# Altium PCB higgs.PcbDoc (part 11 of 25)
Units mm, origin at the board's own origin, x right, y up, seen from the top; angles counter-clockwise.
Board outline 160 x 160 mm, 15 copper layers (TOP, P1(GND), S1(V), P2(GND), S2(H), P3(GND), S3(V12/V2V5), S4(VDDR), P4(GND), S5(V), P5(GND), S6(H), P6(GND), P1(GND) (Plane1), BOT), stack 3.262 mm thick; 1283 components, 2419 nets, 11066 pads, 5487 vias.
Unrouted connection lines stored in the file: 239.
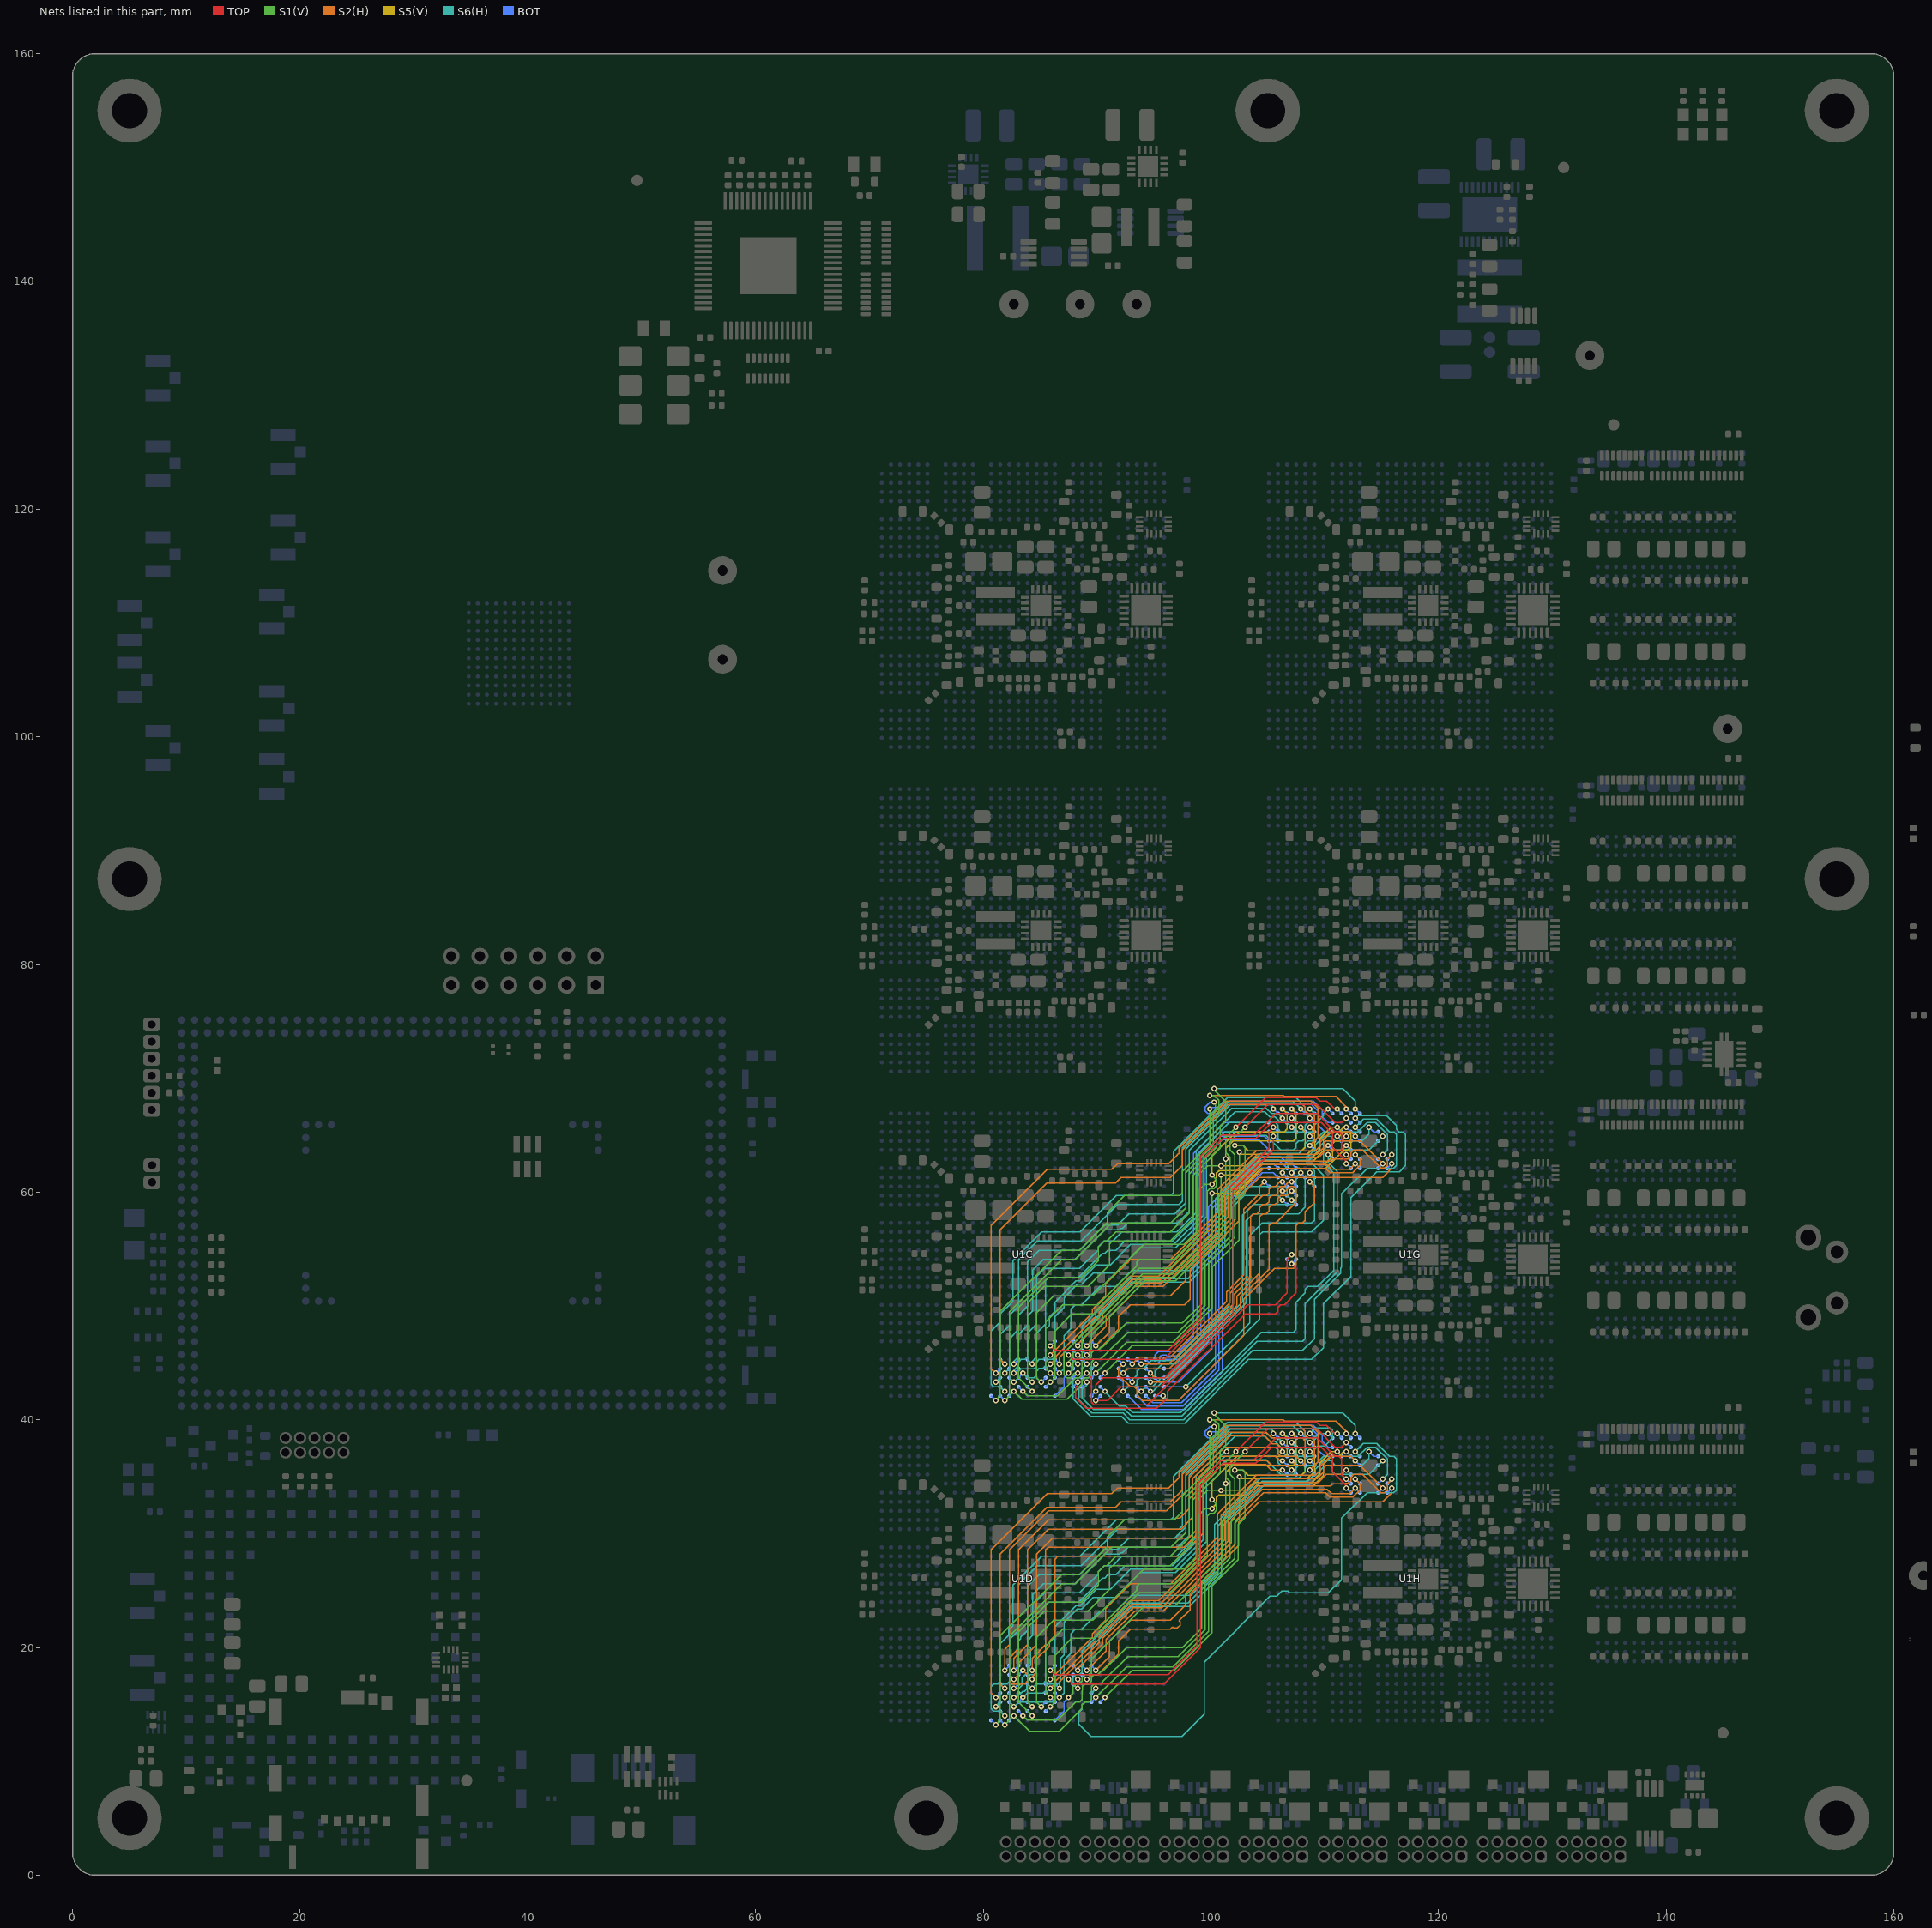
[diagram p24: the nets of this part, all layers, seen from the top]

## Via types
v1: diameter 0.483, hole 0.254, TOP to BOT, tented both sides, 5146 vias
v2: diameter 0.457, hole 0.254, TOP to BOT, tented both sides, 278 vias
v3: diameter 0.5, hole 0.25, TOP to BOT, 50 vias
v4: diameter 0.483/0/0/0/0.483/0/0/0.483 (per signal layer), hole 0.254, TOP to BOT, tented both sides, 7 vias
v5: diameter 0.483, hole 0.254, TOP to BOT, tented bottom, 5 vias
v6: diameter 0.483, hole 0.254, TOP to BOT, 1 vias

## Nets (pads, with @x,y where several pads share a name; then routed paths per layer and width w, separated by ;. In a path a pad name is that pad's centre, name@x,y a point inside that pad or via, vN(x,y) a via of type N, cw(c..) or ccw(c..) an arc to the next point about the centre after c; other vN are vias at no path point) (continued)
IL07_32.LR.G0.D3_N: U1C.P29 U1G.F5 | length 51.6
  S2(H) w0.102: v1(81.1,44.1) 80.7,44.5 80.7,57.064 85.635,61.999 91.3,61.999 91.801,62.5 96.3,62.5 97.066,63.266 97.066,63.277 97.194,63.405 97.194,63.836 101.362,68.004 108.796,68.004 109.404,67.396 109.404,64.804 v1(108.7,64.1)
  BOT w0.102: v1(81.1,44.1) U1C.P29@81.5,44.5 ; v1(108.7,64.1) U1G.F5@109.1,63.7
IL07_32.LR.G0.D3_P: U1C.P28 U1G.F4 | length 48.6
  S2(H) w0.102: v1(81.9,44.9) 81.5,45.3 81.5,56.695 85.608,60.804 91.639,60.804 92.135,61.299 92.399,61.299 ; 92.4,61.3 96.464,61.3 97.499,62.335 97.499,63.71 101.489,67.699 108.065,67.699 108.301,67.464 108.301,67.135 108.536,66.899 108.865,66.899 109.099,66.665 109.099,65.299 v1(108.7,64.9)
  BOT w0.102: U1C.P28@81.5,45.3 v1(81.9,44.9) ; v1(108.7,64.9) U1G.F4@109.1,64.5
IL07_32.LR.G0.D4_N: U1C.U28 U1G.D2 | length 41.7
  S6(H) w0.102: v1(84.3,44.9) 84.3,45.136 84.699,45.535 84.699,47.599 85.499,48.399 85.499,52.264 85.735,52.499 88.399,52.499 90.501,54.601 90.665,54.601 90.964,54.899 91.664,54.899 92.465,55.701 96.639,55.701 98.998,58.06 98.998,63.484 101.613,66.099 105.665,66.099 105.899,65.865 105.899,65.536 106.135,65.301 107.265,65.301 107.499,65.535 107.499,66.101 v1(107.1,66.5)
  BOT w0.102: U1C.U28@83.9,45.3 v1(84.3,44.9) ; v1(107.1,66.5) U1G.D2@107.5,66.1
IL07_32.LR.G0.D4_P: U1C.T29 U1G.D3 | length 42.9
  S6(H) w0.102: v1(82.7,44.1) 82.7,44.336 83.099,44.735 83.099,44.868 83.101,44.87 83.101,45.065 83.335,45.299 83.664,45.299 83.899,45.535 83.899,47.599 84.699,48.399 84.699,52.599 85.401,53.301 88.465,53.301 90.101,54.936 90.101,55.165 90.636,55.701 91.401,55.701 92.201,56.501 97.008,56.501 98.693,58.186 98.693,63.61 101.583,66.5 101.592,66.5 102.153,67.062 104.743,67.062 105.21,66.594 105.641,66.594 106.136,66.099 106.701,66.099 v1(107.1,65.7)
  BOT w0.102: v1(82.7,44.1) U1C.T29@83.1,44.5 ; v1(107.1,65.7) U1G.D3@107.5,65.3
IL07_32.LR.G0.S_N: U1C.T28 U1G.C2 | length 41.4
  S6(H) w0.102: v1(82.7,44.9) 82.7,45.136 83.1,45.536 83.1,47.5 83.901,48.301 83.901,49.101 84.364,49.564 84.364,53.164 85.301,54.101 88.136,54.101 90.736,56.7 91.969,56.7 92.075,56.806 92.23,56.806 92.725,57.301 97.101,57.301 98.109,58.309 98.109,63.651 101.824,67.366 104.869,67.366 105.336,66.899 105.899,66.899 106.298,66.5 v1(106.3,66.5)
  BOT w0.102: v1(82.7,44.9) U1C.T28@83.1,45.3 ; v1(106.3,66.5) U1G.C2@106.7,66.1
IL07_32.LR.G0.S_P: U1C.R29 U1G.B1 | length 42.1
  S6(H) w0.102: v1(81.9,44.1) 82.301,44.501 82.301,47.132 83.101,47.932 83.101,49.201 83.899,49.999 83.899,53.864 84.936,54.901 88.465,54.901 90.664,57.1 91.8,57.1 92.5,57.8 92.8,58.1 96.83,58.1 97.804,59.074 97.804,63.777 101.698,67.671 105.3,67.671 105.5,67.471 v1(105.5,67.3)
  BOT w0.102: v1(81.9,44.1) U1C.R29@82.3,44.5 ; v1(105.5,67.3) U1G.B1@105.9,66.9
IL07_32.LR.G1.D0_N: U1C.P30 U1G.E1 | length 46.3
  S6(H) w0.102: v1(81.1,43.3) 81.5,43.7 81.5,47.5 82.299,48.299 82.299,49.199 83.1,50 83.1,54.038 84.763,55.701 88.601,55.701 91.801,58.901 97.2,58.901 97.499,59.2 97.499,63.904 101.571,67.976 107.224,67.976 v1(107.9,67.3)
  BOT w0.102: v1(81.1,43.3) U1C.P30@81.5,43.7 ; v1(107.9,67.3) U1G.E1@108.3,66.9
IL07_32.LR.G1.D0_P: U1C.P31 U1G.F2 | length 49.4
  S6(H) w0.102: v1(81.9,42.5) 81.499,42.901 80.935,42.901 80.701,43.135 80.701,43.499 80.7,43.5 80.7,47.8 81.501,48.601 81.501,49.299 82.604,50.402 82.604,53.973 85.132,56.501 88.502,56.501 91.702,59.701 96.465,59.701 96.701,59.936 96.701,63.536 101.445,68.281 107.484,68.281 108.299,67.465 108.299,67.202 108.301,67.2 108.301,66.901 v1(108.7,66.5) v1(108.7,66.5)
  BOT w0.102: U1C.P31@81.5,42.9 v1(81.9,42.5) ; v1(108.7,66.5) U1G.F2@109.1,66.1
IL07_32.LR.G1.D1_N: U1C.T30 U1G.H1 | length 45.8
  S6(H) w0.102: v1(83.5,44.1) 83.899,43.701 84.465,43.701 84.701,43.936 84.701,44.265 84.936,44.501 85.265,44.501 85.499,44.735 85.499,45.064 85.736,45.301 86.065,45.301 86.299,45.535 86.299,49.064 87.099,49.864 87.099,50.699 88.29,51.89 88.652,51.89 89.662,52.9 91.614,52.9 93.806,55.091 96.891,55.091 99.607,57.807 99.607,63.232 101.371,64.995 104.84,64.995 106.135,63.701 107.265,63.701 107.499,63.935 107.499,64.264 107.735,64.499 107.898,64.499 107.9,64.501 108.065,64.501 108.299,64.735 108.299,65.064 108.536,65.301 108.865,65.301 109.099,65.535 109.099,65.904 109.899,66.704 109.899,66.899 v1(110.3,67.3)
  BOT w0.102: U1C.T30@83.1,43.7 v1(83.5,44.1) ; v1(110.3,67.3) U1G.H1@110.7,66.9
IL07_32.LR.G1.D1_P: U1C.R30 U1G.F1 | length 45.5
  S6(H) w0.102: v1(82.7,43.3) 83.099,43.699 83.099,44.264 83.335,44.499 83.6,44.499 84.464,44.499 84.699,44.735 84.699,45.064 84.935,45.299 85.264,45.299 85.499,45.535 85.499,47.968 85.804,48.273 85.804,49.039 86.299,49.535 86.299,50.335 88.159,52.194 88.525,52.194 89.931,53.6 91.164,53.6 92.961,55.396 96.765,55.396 99.303,57.934 99.303,63.358 101.245,65.3 105.664,65.3 105.899,65.065 105.899,64.901 105.901,64.899 105.901,64.735 106.136,64.499 107.264,64.499 107.501,64.736 107.501,65.065 107.736,65.301 108.065,65.301 108.299,65.535 108.299,65.864 108.536,66.101 108.865,66.101 109.099,66.335 109.099,66.901 v1(108.7,67.3)
  BOT w0.102: U1C.R30@82.3,43.7 v1(82.7,43.3) ; v1(108.7,67.3) U1G.F1@109.1,66.9
IL07_32.LR.G1.D2_N: U1C.P32 U1G.H3 | length 52.8
  S1(V) w0.102: v1(81.9,41.7) 82.3,42.1 82.3,49.5 86.901,54.101 88.096,54.101 91.295,57.299 96.5,57.299 97.804,58.603 97.804,61.701 100.205,64.102 100.205,66.925 100.394,67.115 v1@100.394,67.806
  BOT w0.102: U1C.P32@81.5,42.1 v1(81.9,41.7) ; v1(100.3,67.9) 99.936,67.9 99.501,67.465 99.501,67.135 99.735,66.901 100.901,66.901 101.699,67.699 108.865,67.699 108.932,67.632 109.5,67.066 109.5,65.8 110,65.3 U1G.H3@110.7,65.3
IL07_32.LR.G1.D2_P: U1C.N32 U1G.H2 | length 49.9
  S1(V) w0.102: v1(81.1,41.7) 81.499,42.099 81.499,49.535 86.865,54.901 88.465,54.901 90.9,57.336 90.9,58.2 92.401,59.701 96.8,59.701 97.265,59.701 97.499,59.935 97.499,61.828 99.9,64.229 v1(99.9,67.3)
  BOT w0.102: U1C.N32@80.7,42.1 v1(81.1,41.7) ; v1@99.933,67.433 101.002,67.433 101.573,68.004 108.993,68.004 109.805,67.192 109.805,66.6 110.305,66.1 U1G.H2@110.7,66.1
IL07_32.LR.G1.D3_N: U1C.Y30 U1G.K3 | length 42.7
  S1(V) w0.102: v1(85.9,44.1) 85.499,44.501 85.499,48.599 87.001,50.101 90.065,50.101 93.501,53.536 93.501,53.865 93.736,54.1 96.793,54.1 99.023,56.33 99.023,60.223 99.5,60.7 v1(100.1,60.7)
  S5(V) w0.102: v1(100.1,60.7) 100.5,61.1 100.5,61.664 100.736,61.901 103.166,61.901 103.974,62.709 109,62.709 109.901,63.61 109.901,64.6 110.6,65.299 111.264,65.299 111.664,65.7 v1(111.9,65.7)
  BOT w0.102: v1(85.9,44.1) U1C.Y30@86.3,43.7 ; v1(111.9,65.7) U1G.K3@112.3,65.3
IL07_32.LR.G1.D3_P: U1C.W30 U1G.J3 | length 44
  S1(V) w0.102: v1(85.1,43.3) 84.701,43.699 84.701,49.401 86.2,50.9 86.699,50.9 ; 86.7,50.901 89.615,50.901 94.109,55.394 97.656,55.394 98.718,56.456 98.718,61.309 99.71,62.3 v1(100.9,62.3)
  S5(V) w0.102: v1(100.9,62.3) 103.134,62.3 103.848,63.014 108.874,63.014 109.596,63.736 109.596,64.726 110.57,65.7 v1(111.1,65.7)
  BOT w0.102: v1(85.1,43.3) U1C.W30@85.5,43.7 ; v1(111.1,65.7) U1G.J3@111.5,65.3
IL07_32.LR.G1.D4_N: U1C.U30 U1G.L1 | length 53.5
  S1(V) w0.102: v1(84.3,43.3) 83.901,43.699 83.901,50.239 85.362,51.7 89.2,51.7 91.1,53.6 91.1,55.299 ; 91.101,55.3 91.101,55.465 91.335,55.699 96.1,55.699 96.102,55.701 96.465,55.701 98.414,57.649 98.414,61.445 98.975,62.007 98.975,62.011 100.814,63.85 100.814,65.8 101.3,66.286 101.3,67.969 100.3,68.969 v1(100.3,69.1)
  S6(H) w0.102: v1(100.3,69.1) 111.6,69.1 112.7,68 v1(112.7,67.3)
  BOT w0.102: U1C.U30@83.9,43.7 v1(84.3,43.3) ; v1(112.7,67.3) U1G.L1@113.1,66.9
IL07_32.LR.G1.D4_P: U1C.U31 U1G.K1 | length 52.7
  S1(V) w0.102: v1(84.3,42.5) 83.1,43.7 83.1,49.869 85.73,52.499 88.624,52.499 90.101,53.976 90.101,55.165 90.636,55.701 90.865,55.701 91.665,56.501 96.465,56.501 98.109,58.144 98.109,61.575 100.51,63.976 100.51,66.799 100.699,66.989 100.699,68.065 100.264,68.5 v1(99.9,68.5)
  S2(H) w0.102: v1(99.9,68.5) 106.369,68.5 106.474,68.395 110.985,68.395 111.9,67.48 v1(111.9,67.3)
  BOT w0.102: U1C.U31@83.9,42.9 v1(84.3,42.5) ; v1(111.9,67.3) U1G.K1@112.3,66.9
IL07_32.LR.G1.S_N: U1C.T31 U1G.J1 | length 48.7
  TOP w0.102: v1(102.2,65.7) 104.8,68.3 109.28,68.3 109.585,67.995 110.169,67.995 110.864,67.3 v1(111.1,67.3)
  S1(V) w0.102: v1(83.5,42.5) 83.899,42.101 86.545,42.101 87.901,43.456 87.901,43.465 88.135,43.699 88.464,43.699 88.699,43.935 88.699,45.064 88.936,45.301 89.265,45.301 89.501,45.536 89.501,45.865 89.735,46.099 89.9,46.099 89.902,46.101 90.065,46.101 90.364,46.4 90.5,46.4 92.599,48.499 97.506,48.499 99.186,50.179 99.186,54.055 101.309,56.178 101.309,59.547 101.699,59.937 101.699,63.065 101.3,63.464 101.3,64.8 v1(102.2,65.7)
  BOT w0.102: U1C.T31@83.1,42.9 v1(83.5,42.5) ; v1(111.1,67.3) U1G.J1@111.5,66.9
IL07_32.LR.G1.S_P: U1C.R32 U1G.K2 | length 50.5
  TOP w0.102: v1(103,65.7) 104.999,67.699 109.336,67.699 110.935,66.101 111.501,66.101 v1(111.9,66.5)
  S1(V) w0.102: v1(82.7,42.5) 83.404,41.796 87.361,41.796 88.699,43.135 88.699,43.448 88.701,43.45 88.701,43.465 88.935,43.699 89.264,43.699 89.499,43.935 89.499,44.9 89.501,44.902 89.501,45.065 89.736,45.301 90.299,45.301 90.698,45.7 90.7,45.7 92.7,47.7 97.138,47.7 99.49,50.053 99.49,53.886 101.7,56.096 101.7,59.462 102.1,59.862 102.1,63.3 101.7,63.7 101.7,64.4 v1(103,65.7)
  BOT w0.102: U1C.R32@82.3,42.1 v1(82.7,42.5) ; v1(111.9,66.5) U1G.K2@112.3,66.1
IL07_32.LR.G2.D0_N: U1C.Y27 U1G.K7 | length 45.7
  TOP w0.102: v1(87.5,45.7) 87.899,45.301 95.901,45.301 99.4,48.8 99.4,63 101.1,64.7 103.936,64.7 105.336,66.1 109.705,66.1 110.699,65.105 110.699,64.101 110.701,64.099 110.701,63.935 111.9,62.736 v1(111.9,62.5)
  BOT w0.102: U1C.Y27@86.3,46.1 87.1,46.1 v1(87.5,45.7) ; v1(111.9,62.5) U1G.K7@112.3,62.1
IL07_32.LR.G2.D0_P: U1C.Y26 U1G.K6 | length 46.5
  TOP w0.102: v1(85.9,46.5) 86.3,46.1 96.269,46.1 99.095,48.926 99.095,63.126 100.974,65.005 103.809,65.005 105.704,66.899 109.336,66.899 110.935,65.301 111.198,65.301 111.2,65.299 111.265,65.299 111.499,65.065 111.499,64.736 111.501,64.735 111.501,63.699 v1(111.9,63.3)
  BOT w0.102: v1(85.9,46.5) U1C.Y26@86.3,46.9 ; v1(111.9,63.3) U1G.K6@112.3,62.9
IL07_32.LR.G2.D1_N: U1C.W28 U1G.L4 | length 38.4
  S2(H) w0.102: v1(85.9,45.7) 89.577,49.377 89.577,49.697 90.769,50.889 90.769,51.933 92.935,54.099 96.485,54.099 100.6,58.214 100.6,60.231 103.992,63.623 109.197,63.623 109.596,64.023 109.596,64.392 110.504,65.299 112.301,65.299 v1(112.7,64.9)
  BOT w0.102: U1C.W28@85.5,45.3 v1(85.9,45.7) ; v1(112.7,64.9) U1G.L4@113.1,64.5
IL07_32.LR.G2.D1_P: U1C.Y28 U1G.K5 | length 36.1
  S2(H) w0.102: v1(86.7,44.9) 86.7,45.464 90.186,48.951 90.186,49.444 93.053,52.31 95.559,52.31 101.21,57.961 101.21,59.979 104.245,63.014 109.449,63.014 110.136,63.701 111.501,63.701 v1(111.9,64.1)
  BOT w0.102: U1C.Y28@86.3,45.3 v1(86.7,44.9) ; v1(111.9,64.1) U1G.K5@112.3,63.7
IL07_32.LR.G2.D2_N: U1C.W29 U1G.N7 | length 41.1
  S2(H) w0.102: v1(85.9,44.9) 86.395,45.395 86.395,45.591 89.882,49.077 89.882,49.57 92.927,52.615 95.433,52.615 100.905,58.087 100.905,60.105 104.118,63.318 109.323,63.318 109.901,63.896 109.901,64.265 110.135,64.499 110.6,64.499 113.101,64.499 v1(115.1,62.5)
  BOT w0.102: U1C.W29@85.5,44.5 v1(85.9,44.9) ; U1G.N7@114.7,62.1 v1(115.1,62.5)
IL07_32.LR.G2.D2_P: U1C.Y29 U1G.N6 | length 46.7
  S6(H) w0.102: v1(86.7,44.1) 87.099,44.499 87.099,47.399 87.709,48.009 87.709,49.709 88.101,50.101 88.663,50.101 90.263,51.701 91.665,51.701 91.964,52 ; 91.96,52.004 93.055,53.1 98.256,53.1 100.41,55.254 100.41,59.41 104.396,63.396 107.761,63.396 108.299,63.935 108.299,63.998 108.301,64 108.301,64.265 108.535,64.499 109.099,64.499 109.901,65.301 112.936,65.301 113.736,66.101 114.464,66.101 115.501,65.064 115.501,63.701 v1(115.1,63.3)
  BOT w0.102: U1C.Y29@86.3,44.5 v1(86.7,44.1) ; U1G.N6@114.7,62.9 v1(115.1,63.3)
IL07_32.LR.G2.D3_N: U1C.AC27 U1G.P7 | length 38.5
  S2(H) w0.102: v1(89.1,45.7) 89.499,46.099 90.064,46.099 91.899,47.935 91.899,49.064 92.935,50.099 92.999,50.099 ; 93,50.1 97.7,50.1 98.2,50.6 98.2,52 ; 98.182,52 98.182,53.21 102.429,57.456 102.429,59.474 104.254,61.299 110.598,61.299 110.6,61.301 115.101,61.301 115.9,62.1 v1(115.9,62.5)
  BOT w0.102: U1C.AC27@88.7,46.1 v1(89.1,45.7) ; U1G.P7@115.5,62.1 v1(115.9,62.5)
IL07_32.LR.G2.D3_P: U1C.AB26 U1G.P6 | length 39.1
  S2(H) w0.102: v1(88.3,46.5) 88.3,46.633 90.491,48.825 90.491,49.318 93.179,52.006 95.685,52.006 101.514,57.835 101.514,59.852 104.371,62.709 110.5,62.709 110.69,62.899 111,62.899 ; 111,62.9 111.8,62.9 112.065,62.901 112.299,63.135 112.299,63.464 112.535,63.699 113.336,63.699 114.935,62.101 115.265,62.101 115.5,62.336 115.5,62.9 v1(115.9,63.3)
  BOT w0.102: U1C.AB26@87.9,46.9 v1(88.3,46.5) ; U1G.P6@115.5,62.9 v1(115.9,63.3)
IL07_32.LR.G2.D4_N: U1C.AD26 U1G.L6 | length 34.9
  S2(H) w0.102: v1(89.9,46.5) 91.101,47.701 91.101,49.065 92.936,50.9 96.464,50.9 97.782,52.218 97.782,53.241 102.124,57.582 102.124,59.6 104.623,62.099 110.074,62.099 110.478,61.695 112.46,61.695 113.099,62.335 113.099,62.899 112.7,63.298 v1(112.7,63.3)
  BOT w0.102: U1C.AD26@89.5,46.9 v1(89.9,46.5) ; v1(112.7,63.3) U1G.L6@113.1,62.9
IL07_32.LR.G2.D4_P: U1C.AC26 U1G.L7 | length 33.5
  S2(H) w0.102: v1(89.1,46.5) 90.796,48.196 90.796,49.192 93.305,51.701 95.811,51.701 101.819,57.709 101.819,59.726 104.497,62.404 110.201,62.404 110.605,62 112.2,62 v1(112.7,62.5)
  BOT w0.102: U1C.AC26@88.7,46.9 v1(89.1,46.5) ; v1(112.7,62.5) U1G.L7@113.1,62.1
IL07_32.LR.G2.S_N: U1C.AB27 U1G.N4 | length 41.4
  S6(H) w0.102: v1(88.3,45.7) 88.699,45.301 89.265,45.301 89.499,45.535 89.499,48.568 93.018,52.087 98.105,52.087 101.231,55.213 101.231,59.369 104.649,62.787 108.618,62.787 109.505,63.674 109.505,63.936 110.068,64.499 110.2,64.499 110.465,64.499 110.699,64.265 110.699,63.936 110.935,63.701 113.901,63.701 v1(115.1,64.9)
  BOT w0.102: U1C.AB27@87.9,46.1 v1(88.3,45.7) ; U1G.N4@114.7,64.5 v1(115.1,64.9)
IL07_32.LR.G2.S_P: U1C.AB28 U1G.N3 | length 41.3
  S6(H) w0.102: v1(88.3,44.9) 87.901,45.299 87.901,45.865 88.136,46.101 88.465,46.101 88.699,46.335 88.699,47.199 88.7,47.2 88.7,48.2 92.892,52.392 97.979,52.392 100.714,55.127 100.714,59.283 104.522,63.091 108.491,63.091 109.2,63.8 109.2,64.169 109.931,64.9 110.536,64.9 110.935,64.501 113.301,64.501 113.9,65.1 v1(113.9,65.7)
  BOT w0.102: U1C.AB28@87.9,45.3 v1(88.3,44.9) ; v1(113.9,65.7) 114.3,65.3 U1G.N3@114.7,65.3
IL07_32.LR.G3.D0_N: U1C.AE30 U1G.E3 | length 37.6
  S1(V) w0.102: v1(90.7,44.1) 93.1,46.5 96.8,46.5 100.1,49.8 100.1,53.4 102.498,55.798 102.498,59.398 103,59.9 103,63.9 102.8,64.1 v1(102.099,64.1)
  S5(V) w0.102: v1(102.099,64.1) 102.8,64.1 103.277,63.623 108,63.623 108.299,63.922 108.299,64.265 108.299,65.301 v1(107.9,65.7)
  BOT w0.102: U1C.AE30@90.3,43.7 v1(90.7,44.1) ; v1(107.9,65.7) U1G.E3@108.3,65.3
IL07_32.LR.G3.D0_P: U1C.AD30 U1G.F3 | length 37
  S1(V) w0.102: v1(89.9,44.1) 92.605,46.805 96.674,46.805 99.795,49.926 99.795,53.76 102.099,56.064 102.099,59.43 102.5,59.831 v1(102.5,63.5)
  S5(V) w0.102: v1(102.5,63.5) 102.682,63.318 108.483,63.318 109.099,63.935 109.099,65.301 v1(108.7,65.7) v1(108.7,65.7)
  BOT w0.102: U1C.AD30@89.5,43.7 v1(89.9,44.1) ; v1(108.7,65.7) U1G.F3@109.1,65.3
IL07_32.LR.G3.D1_N: U1C.Y32 U1G.D1 | length 39.8
  S1(V) w0.102: v1(87.5,44.1) 87.9,44.5 87.9,45.064 88.135,45.299 88.464,45.299 88.701,45.537 88.701,45.865 88.935,46.099 89.264,46.099 89.5,46.336 89.5,47.464 94.236,52.2 96.9,52.2 101,56.3 101,59.588 101.004,59.593 ; 101,59.597 101,59.669 101.3,59.969 v1(101.3,62.9)
  S5(V) w0.102: v1(101.3,62.9) 101.3,63.865 101.934,64.499 107.099,64.499 107.101,64.501 107.265,64.501 107.5,64.736 107.5,66.9 v1(107.1,67.3)
  BOT w0.102: U1C.Y32@86.3,42.1 87.1,42.9 87.1,43.7 v1(87.5,44.1) ; v1(107.1,67.3) U1G.D1@107.5,66.9
IL07_32.LR.G3.D1_P: U1C.W31 U1G.C1 | length 39.6
  S1(V) w0.102: v1(85.9,43.3) 86.301,43.701 86.301,47.801 87.799,49.299 89.695,49.299 93.696,53.301 96.425,53.301 99.701,56.577 99.701,60.065 99.935,60.299 100.264,60.299 100.499,60.535 100.499,61.101 v1(100.1,61.5)
  S5(V) w0.102: v1@100.101,61.501 100.101,63.199 102.201,65.299 106.3,65.299 106.302,65.301 106.465,65.301 106.699,65.535 106.699,66.901 v1(106.3,67.3)
  BOT w0.102: U1C.W31@85.5,42.9 v1(85.9,43.3) ; v1(106.3,67.3) U1G.C1@106.7,66.9
IL07_32.LR.G3.D2_N: U1C.AD29 U1G.L3 | length 57.3
  S6(H) w0.102: 89.265,43.699 88.935,43.699 ; v1(89.9,44.9) 89.499,44.499 89.499,43.935 89.265,43.701 88.936,43.701 88.935,43.699 ; 109.099,48.199 109.099,47.135 108.065,46.101 103.688,46.101 97.603,40.015 92.88,40.015 92.287,40.609 89.565,40.609 88.396,41.777 88.396,42.792 ; 109.1,48.2 109.1,50.569 111.405,52.874 111.405,53.3 111.499,53.394 111.499,59.864 113.735,62.099 116.064,62.099 116.299,62.335 116.299,65.065 116.065,65.299 115.696,65.299 114.59,66.406 113.406,66.406 v1(112.7,65.7) ; 88.396,42.792 88.396,42.832 88.699,43.135 88.699,43.464 88.701,43.465 ; 88.396,42.792 88.701,43.096 88.701,43.465 ; 88.701,43.465 88.935,43.699
  BOT w0.102: U1C.AD29@89.5,44.5 v1(89.9,44.9) ; v1(112.7,65.7) U1G.L3@113.1,65.3
IL07_32.LR.G3.D2_P: U1C.AC28 U1G.L2 | length 58.8
  S6(H) w0.102: v1(89.1,44.9) 88.7,44.5 88.7,43.9 88.499,43.699 88.135,43.699 87.901,43.465 87.901,41.842 89.439,40.304 92.161,40.304 92.754,39.711 97.729,39.711 103.319,45.301 108.865,45.301 109.899,46.335 109.899,50.199 112.3,52.6 112.3,59.536 114.559,61.794 116.559,61.794 117.099,62.335 117.099,62.399 117.1,62.4 ; v1(112.7,66.5) 112.91,66.71 115.454,66.71 116.299,65.865 116.299,65.536 116.536,65.299 116.865,65.299 117.099,65.065 117.099,62.401
  BOT w0.102: U1C.AC28@88.7,45.3 v1(89.1,44.9) ; v1(112.7,66.5) U1G.L2@113.1,66.1
IL07_32.LR.G3.D3_N: U1C.AB29 U1G.K4 | length 38.1
  S1(V) w0.102: v1(87.5,44.9) 87.5,45.136 87.899,45.535 87.899,45.864 88.135,46.099 88.298,46.099 88.3,46.101 88.465,46.101 88.699,46.335 88.699,46.499 88.701,46.501 88.701,47.096 94.109,52.505 96.774,52.505 100.695,56.426 100.695,59.795 100.9,60 v1(100.9,61.5)
  S5(V) w0.102: v1(100.9,61.5) 103.196,61.5 104.1,62.404 109.968,62.404 110.701,63.136 110.701,64.265 110.935,64.499 111.499,64.499 v1(111.9,64.9)
  BOT w0.102: v1(87.5,44.9) U1C.AB29@87.9,44.5 ; v1(111.9,64.9) U1G.K4@112.3,64.5
IL07_32.LR.G3.D3_P: U1C.AB30 U1G.J4 | length 42
  S1(V) w0.102: v1(88.3,44.1) 88.064,44.1 87.665,43.701 87.335,43.701 87.099,43.936 87.099,45.864 88.396,47.161 88.396,47.223 93.983,52.81 96.648,52.81 100.1,56.262 v1(100.1,59.9)
  S5(V) w0.102: v1(100.1,59.9) 102.201,59.9 104.4,62.099 110.095,62.099 111.696,63.701 112.065,63.701 112.299,63.935 112.299,64.265 112.299,65.065 112.064,65.3 111.695,65.3 111.295,64.9 v1(111.1,64.9)
  BOT w0.102: U1C.AB30@87.9,43.7 v1(88.3,44.1) ; v1(111.1,64.9) U1G.J4@111.5,64.5
IL07_32.LR.G3.D4_N: U1C.AE31 U1G.H5 | length 40.3
  S6(H) w0.102: v1(90.7,42.5) 91.982,41.218 92.539,41.218 93.133,40.625 97.35,40.625 104.426,47.701 107.265,47.701 107.501,47.936 107.501,50.336 108.299,51.135 108.299,51.464 108.536,51.701 109.37,51.701 110.795,53.126 110.795,61.673 109.901,62.567 109.901,63.701 v1(110.3,64.1)
  BOT w0.102: U1C.AE31@90.3,42.9 v1(90.7,42.5) ; v1(110.3,64.1) U1G.H5@110.7,63.7
IL07_32.LR.G3.D4_P: U1C.AC31 U1G.H6 | length 43.4
  S6(H) w0.102: v1(89.1,43.3) 89.1,43.064 88.701,42.665 88.701,41.904 89.691,40.914 92.413,40.914 93.006,40.32 97.476,40.32 104.055,46.899 108.064,46.899 108.299,47.135 108.299,50.199 111.1,53 111.1,61.799 110.3,62.599 v1(110.3,63.3)
  BOT w0.102: U1C.AC31@88.7,42.9 v1(89.1,43.3) ; v1(110.3,63.3) U1G.H6@110.7,62.9
IL07_32.LR.G3.S_N: U1C.AB31 U1G.D17 | length 29.8
  TOP w0.102: v1(88.3,43.3) 88.3,43.041 88.115,42.856 88.115,41.944 89.063,40.996 95.261,40.996 96.199,41.935 96.199,42.468 103.032,49.301 105.665,49.301 105.901,49.537 105.901,49.865 106.135,50.099 106.464,50.099 107.499,51.135 107.499,51.299 107.5,51.3 107.499,51.301 107.499,53.301 v1(107.1,53.7)